# KiCad board pcb.kicad_pcb (continued)
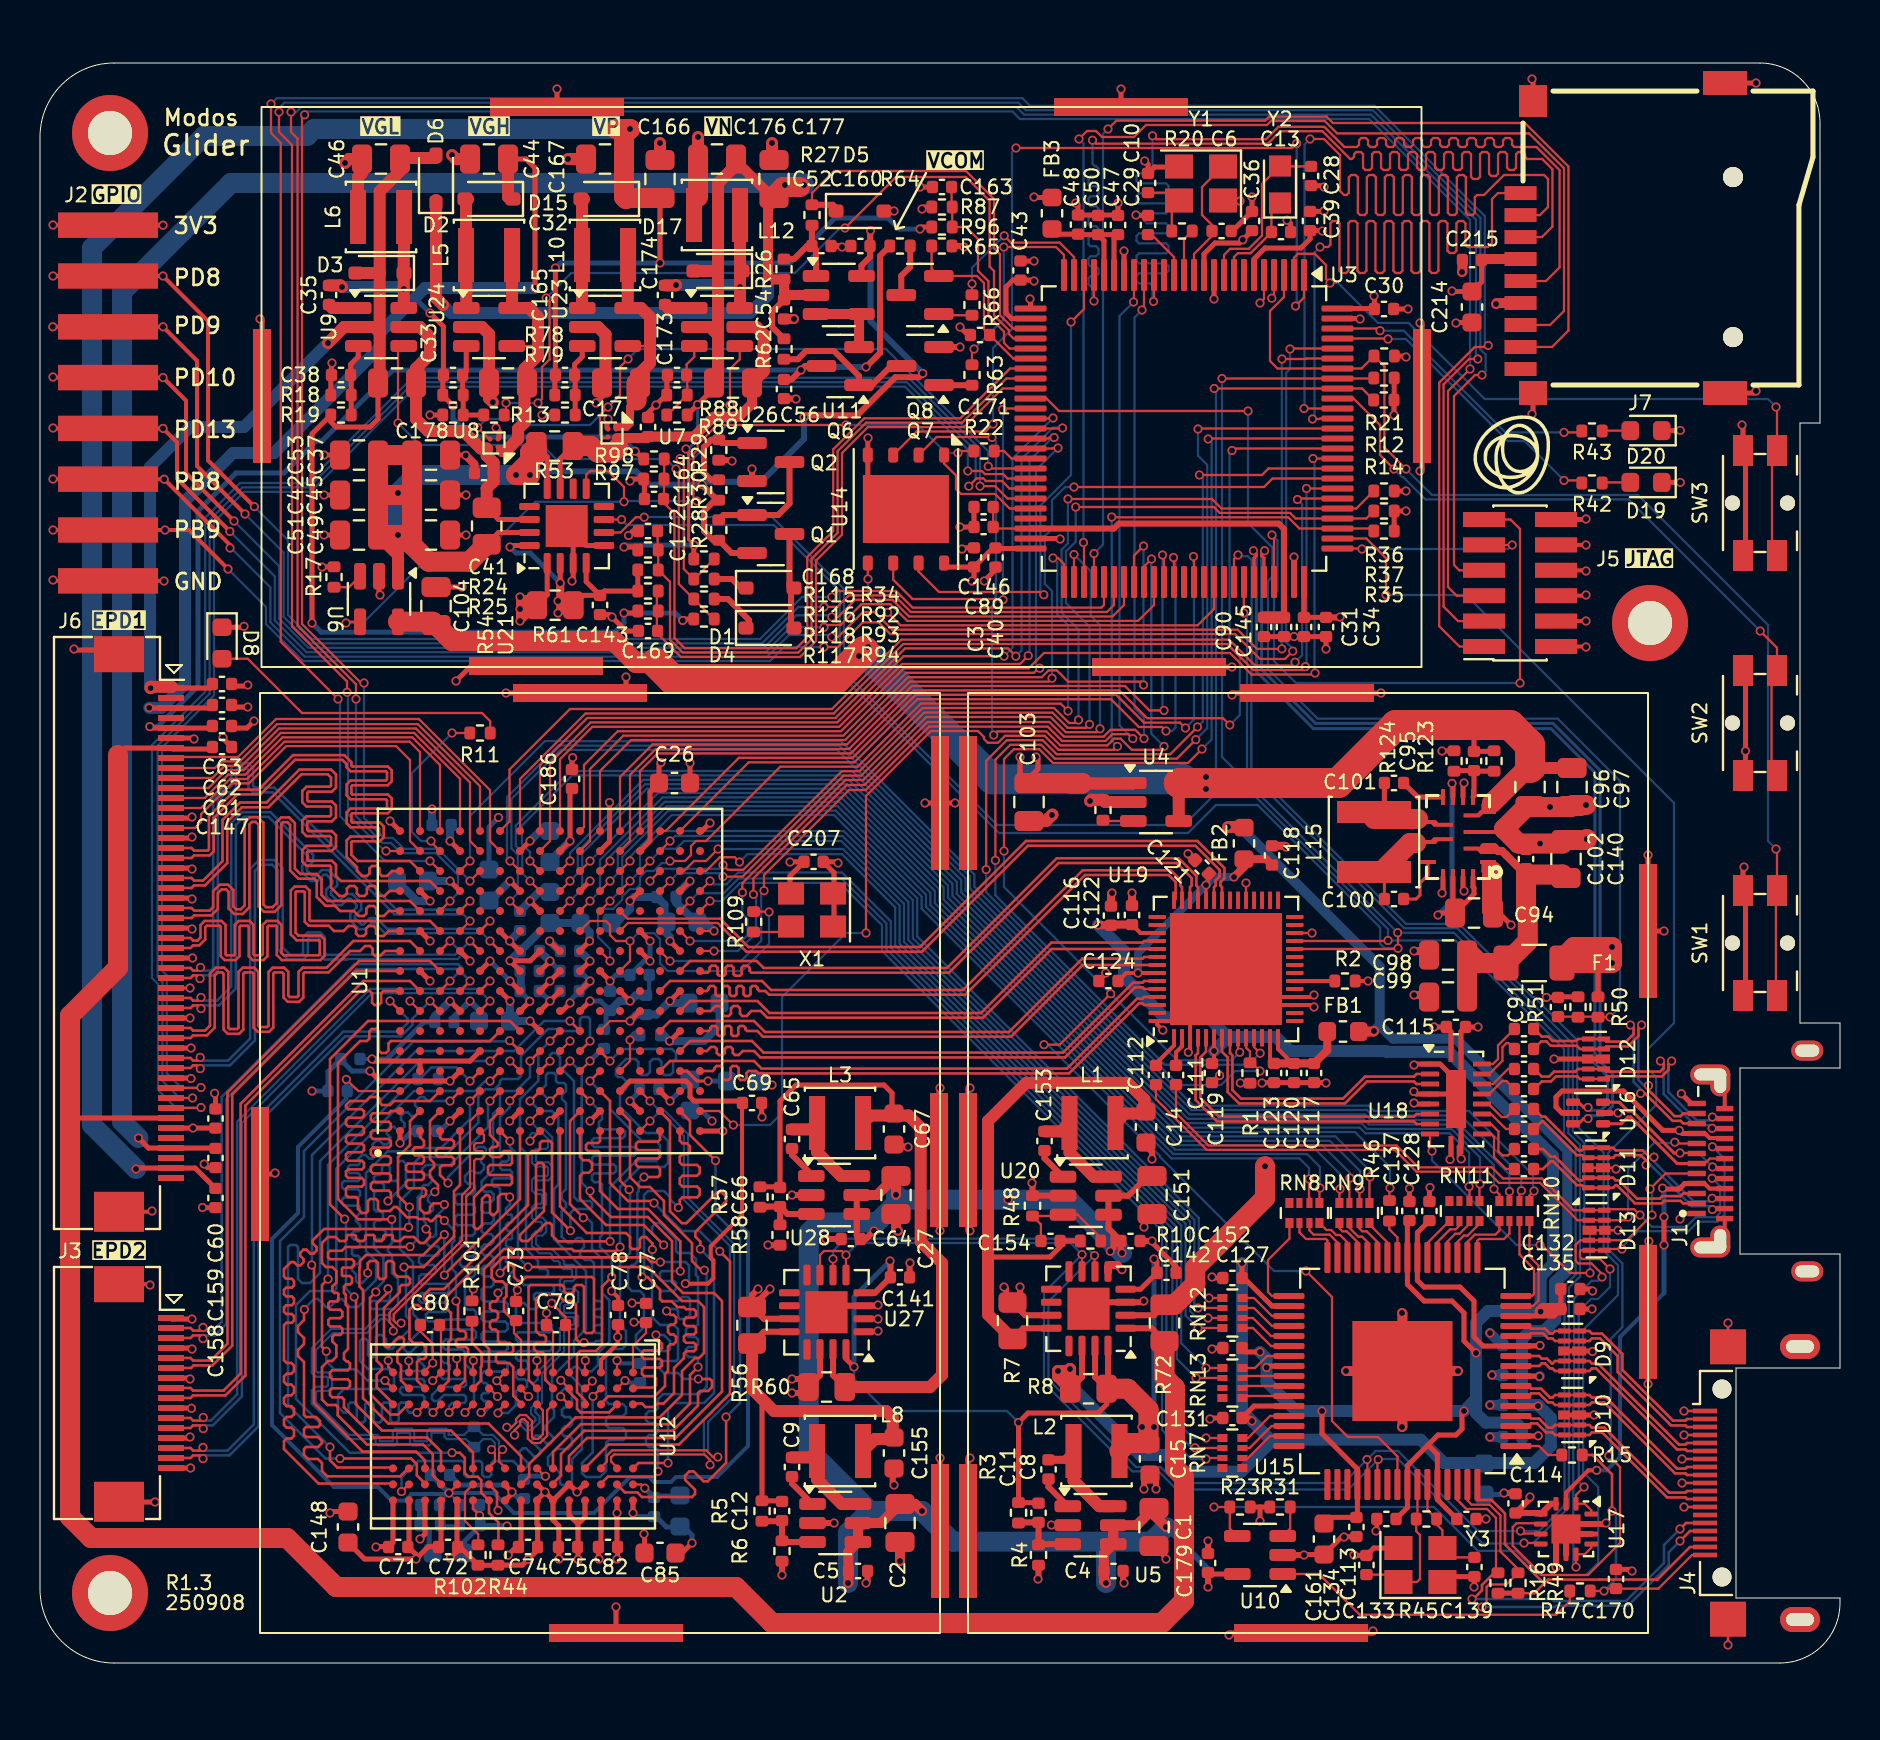
[diagram p0: board, top side]
## Routing (per net, layer and track width the routed paths; a pad name or vN(x,y) marks a point on that pad's centre or on a via; arc(x,y) is an arc through that point) (continued)
EPDC_D5N: length 31
  Top w0.127: 6.6,37.75 7.58,37.75 7.71,37.62 8.48,37.62 8.66,37.8 8.66,38.59 8.98,38.92 9.4,38.92 9.67,38.65 9.67,37.82 9.81,37.69 10.04,37.69 10.23,37.88 10.23,42.02 10.5,42.29 10.89,42.29 11.17,42.01 11.17,37.92 11.3,37.79 11.64,37.79 11.83,37.99 11.83,42.05 12.06,42.28 12.46,42.28 12.74,42 12.74,39.72 13.02,39.45 13.83,39.45 14.08,39.2 14.08,38.4 14.38,38.1 18.5,38.1 U1.B12
EPDC_D5P: length 30.8
  Top w0.127: 6.6,37.25 7.58,37.25 7.71,37.38 8.57,37.38 8.89,37.7 8.89,38.49 9.08,38.68 9.3,38.68 9.43,38.55 9.43,37.73 9.71,37.45 10.14,37.45 10.47,37.78 10.47,41.93 10.6,42.05 10.79,42.05 10.93,41.92 10.93,37.83 11.2,37.56 11.73,37.56 12.07,37.89 12.07,41.95 12.16,42.04 12.36,42.04 12.51,41.9 12.51,39.63 12.92,39.21 13.73,39.21 13.84,39.1 13.84,38.3 14.28,37.86 14.74,37.86 15,37.6 15.69,37.6 15.94,37.35 16.19,37.35 16.32,37.47 16.32,37.72 16.44,37.85 16.69,37.85 16.82,37.72 16.82,37.47 16.94,37.35 17.19,37.35 17.44,37.6 U1.A12
EPDC_D6N: length 30.1
  Top w0.127: 6.6,39.25 7.58,39.25 7.71,39.12 8.15,39.12 9.12,40.09 9.12,42.15 10,43.03 11.33,43.03 12.97,44.67 14.55,44.67 14.8,44.42 14.8,43.77 14.59,43.56 13.42,43.56 13.36,43.5 13.36,43.14 13.42,43.08 14.59,43.08 14.8,42.87 14.8,42.29 14.59,42.08 13.42,42.08 13.36,42.03 13.36,41.66 13.42,41.59 14.59,41.59 14.8,41.39 14.8,40.81 14.59,40.61 13.42,40.61 13.36,40.55 13.36,40.17 13.42,40.11 14.59,40.11 14.8,39.91 14.8,39.35 15.05,39.1 19.5,39.1 U1.C13
EPDC_D6P: length 29.9
  Top w0.127: 6.6,38.75 7.58,38.75 7.71,38.88 8.25,38.88 9.36,39.99 9.36,42.05 10.1,42.79 11.42,42.79 13.07,44.44 14.39,44.44 14.55,44.28 14.55,43.88 14.49,43.81 13.32,43.81 13.11,43.61 13.11,43.03 13.32,42.83 14.49,42.83 14.55,42.77 14.55,42.39 14.49,42.33 13.32,42.33 13.11,42.13 13.11,41.55 13.32,41.34 14.49,41.34 14.55,41.28 14.55,40.92 14.49,40.86 13.32,40.86 13.11,40.65 13.11,40.07 13.32,39.86 14.49,39.86 14.55,39.81 14.55,38.77 14.97,38.35 15.22,38.35 15.34,38.47 15.34,38.72 15.47,38.85 15.72,38.85 15.84,38.72 15.84,38.47 15.97,38.35 16.22,38.35 16.34,38.47 16.34,38.72 16.47,38.85 16.72,38.85 16.84,38.72 16.84,38.47 16.97,38.35 17.22,38.35 17.47,38.6 U1.A13
EPDC_D7N: length 30.9
  Top w0.127: 6.6,40.75 7.58,40.75 7.71,40.62 8.38,40.62 8.45,40.68 8.45,42.34 9.78,43.67 10.93,43.67 12.65,45.39 15.21,45.39 15.57,45.04 15.57,44.88 15.62,44.82 17.39,44.82 17.59,44.63 17.59,44.08 17.39,43.89 15.62,43.89 15.57,43.83 15.57,43.48 15.62,43.42 17.39,43.42 17.59,43.23 17.59,42.68 17.39,42.49 15.62,42.49 15.57,42.43 15.57,42.08 15.62,42.02 16.99,42.02 17.19,41.83 17.19,41.28 16.99,41.09 15.62,41.09 15.57,41.03 15.57,40.41 15.88,40.1 18.5,40.1 U1.B14
EPDC_D7P: length 30.9
  Top w0.127: 6.6,40.25 7.58,40.25 7.71,40.38 8.48,40.38 8.68,40.58 8.68,42.24 9.87,43.43 11.02,43.43 12.75,45.16 15.12,45.16 15.33,44.94 15.33,44.78 15.53,44.59 17.29,44.59 17.35,44.53 17.35,44.18 17.29,44.12 15.53,44.12 15.33,43.93 15.33,43.38 15.53,43.19 17.29,43.19 17.35,43.13 17.35,42.78 17.29,42.72 15.53,42.72 15.33,42.53 15.33,41.98 15.53,41.79 16.89,41.79 16.95,41.73 16.95,41.38 16.89,41.32 15.53,41.32 15.33,41.13 15.33,40.31 15.85,39.79 15.85,39.6 16.1,39.35 16.35,39.35 16.47,39.47 16.47,39.72 16.6,39.85 16.85,39.85 16.97,39.72 16.97,39.47 17.1,39.35 17.35,39.35 17.6,39.6 U1.A14
EPDC_D8N: length 31.9
  Top w0.127: U1.A7 v1(17.5,33.1) ; J3.14 7.53,10.75 7.66,10.62 7.99,10.62 v1(8.15,10.78)
  Bottom w0.127: v1(8.15,10.78) 8.31,10.62 9.38,10.62 10.69,11.93 10.69,27.1 15.16,31.57 17.95,31.57 18.38,32 18.38,32.22 v1(17.5,33.1)
EPDC_D8P: length 32.3
  Top w0.127: v1(8.15,10.22) 7.99,10.38 7.66,10.38 7.53,10.25 J3.15 ; U1.C7 v1(19.5,33.1)
  Bottom w0.127: v1(8.15,10.22) 8.31,10.38 9.47,10.38 10.93,11.83 10.93,27 15.26,31.33 18.05,31.33 18.62,31.9 18.62,32.22 v1(19.5,33.1)
EPDC_D9N: length 33.9
  Top w0.127: v1(8.16,12.28) 8,12.12 7.66,12.12 7.53,12.25 J3.11 ; v1(22.5,34.1) U1.E8
  Bottom w0.11: 9.86,26.94 9.86,27.07 16.5,33.71 22.11,33.71 v1(22.5,34.1)
  Bottom w0.127: v1(8.16,12.28) 8.32,12.12 8.54,12.12 9.86,13.43 9.86,26.94
EPDC_D9P: length 34
  Top w0.127: v1(22.5,33.1) U1.E7 ; J3.12 7.53,11.75 7.66,11.88 8,11.88 v1(8.16,11.72)
  Bottom w0.11: v1(22.5,33.1) 22.11,33.49 16.59,33.49 10.1,27 10.1,26.92
  Bottom w0.127: 10.1,26.92 10.1,13.34 8.64,11.88 8.32,11.88 v1(8.16,11.72)
EPDC_D10N: length 29.1
  Top w0.127: J3.8 7.53,13.75 7.66,13.62 9.18,13.62 10.03,14.47 10.03,27.97 16.16,34.1 18.5,34.1 U1.B8
EPDC_D10P: length 28.9
  Top w0.127: U1.A8 17.17,33.6 17.05,33.49 17.05,33.01 16.94,32.9 16.72,32.9 16.6,33.01 16.6,33.49 16.49,33.6 16,33.6 10.27,27.87 10.27,14.38 9.27,13.38 7.66,13.38 7.53,13.25 J3.9
EPDC_D11N: length 29.3
  Top w0.127: J3.5 7.53,15.25 7.66,15.12 8.53,15.12 9.38,15.97 9.38,28.53 15.95,35.1 19.5,35.1 U1.C9
EPDC_D11P: length 27
  Top w0.127: J3.6 7.55,14.75 7.68,14.88 8.62,14.88 9.61,15.87 9.61,28.43 15.79,34.6 U1.A9
EPDC_GDCLK: length 17.9
  Top w0.11: U1.B16 19,45.55 18.48,46.06 12.22,46.06 10.36,44.2 9.5,44.2 8.05,42.75 6.6,42.75
EPDC_GDOE: length 19.1
  Top w0.11: 6.6,43.75 8.43,43.75 9.32,44.64 10.17,44.64 12.04,46.51 18.71,46.51 21,44.21 U1.D16
EPDC_GDSP: length 18.5
  Top w0.11: U1.C16 20,44.9 18.61,46.28 12.13,46.28 10.26,44.42 9.41,44.42 8.24,43.25 6.6,43.25
EPDC_SDCE0: length 20.7
  Top w0.11: U1.E15 21.5,41.1 21.5,44.02 18.8,46.73 11.95,46.73 10.08,44.86 9.23,44.86 8.62,44.25 6.6,44.25
EPDC_SDLE: length 19.8
  Top w0.11: U1.E16 22,43.83 18.89,46.95 11.86,46.95 9.99,45.08 9.08,45.08 8.75,44.75 6.6,44.75
EPDC_SDOE: length 21.4
  Top w0.11: U1.F15 22.5,41.1 22.5,43.64 18.94,47.2 11.8,47.2 9.9,45.3 6.65,45.3 6.6,45.25
EPDC_SE_CLK: length 18.9
  Top w0.11: U1.B15 18.5,41.1 18.5,45.15 17.81,45.84 12.31,45.84 10.45,43.98 9.59,43.98 8.05,42.44 8.05,42.05 7.75,41.75 6.6,41.75
FL_EN: length 81.6
  Top w0.11: v1(47,58.84) 47.76,58.84 48.38,58.23 U3.45 ; v1(8.05,27.78) 8.03,27.75 J6.43
  Bottom w0.11: v1(47,58.84) 47,60.69 43.43,64.26 18.61,64.26 13.35,59 10,59 8.26,57.26 8.26,48.56 5.6,45.9 5.6,34.25 5.9,33.95 5.9,28.65 6.78,27.78 v1(8.05,27.78)
FL_PWM1: length 78.4
  Top w0.11: v1(46.39,59.6) 47.09,59.6 47.25,59.45 48.16,59.45 48.38,59.23 U3.43 ; J6.41 8.03,28.75 v1(8.05,28.78)
  Bottom w0.11: v1(8.05,28.78) 7.05,28.78 6.34,29.48 6.34,34.39 6.1,34.62 6.1,45.78 8.7,48.38 8.7,57.05 10.21,58.56 13.53,58.56 18.79,63.82 43.25,63.82 46.39,60.68 v1(46.39,59.6)
FL_PWM2: length 80.1
  Top w0.11: v1(46.44,58.84) 46.83,59.23 47.16,59.23 47.29,59.1 48.1,59.1 48.47,58.73 U3.44 ; v1(7.62,28.25) J6.42
  Bottom w0.11: v1(7.62,28.25) 6.97,28.25 6.12,29.11 6.12,34.04 6,34.16 6,34.2 5.88,34.32 5.88,45.87 8.48,48.47 8.48,57.14 10.12,58.78 13.44,58.78 18.7,64.04 43.34,64.04 46.78,60.6 46.78,59.18 v1(46.44,58.84)
FMC_A16: length 41.5
  Top w0.11: v1(55.17,55.85) 54.7,55.38 U3.58 ; U1.L16 28,44.6 29.55,46.15 40.26,46.15 43.4,49.29 50.09,49.29 50.43,49.63 50.84,49.63 51.4,49.07 55.07,49.07 55.07,49 v1(55.17,48.9)
  Bottom w0.11: v1(55.17,48.9) v1(55.17,55.85)
FMC_D0: length 42.2
  Top w0.11: v1(56.12,55.4) 56.2,55.33 U3.61 ; U1.M15 29.5,41.1 29.5,44.41 30.79,45.7 40.45,45.7 43.6,48.85 54.25,48.85 55.47,47.63 v1(56.2,47.63)
  Bottom w0.11: v1(56.2,47.63) 56.12,47.7 v1(56.12,55.4)
FMC_D1: length 38
  Top w0.11: U3.62 56.7,55.02 56.67,55.05 v1(56.67,55.27) ; v1(56.3,46.6) 56.1,46.8 54.94,46.8 53.55,48.19 43.87,48.19 40.72,45.03 35.44,45.03 U1.R16
  Bottom w0.11: v1(56.67,55.27) 56.78,55.17 56.78,46.77 56.6,46.6 v1(56.3,46.6)
FMC_D2: length 56.2
  Top w0.11: v1(62.75,50.04) 62.59,49.88 60.75,49.88 59.45,51.17 43.07,51.17 39.6,47.7 26.5,47.7 23.47,44.67 23.47,42.08 U1.F16 ; v1(62.88,58.17) 62.92,58.23 U3.81
  Bottom w0.11: v1(62.88,58.17) 63.11,57.94 63.11,50.39 v1(62.75,50.04)
FMC_D3: length 55.8
  Top w0.11: U1.G16 24,44.2 27.28,47.48 39.69,47.48 43.16,50.95 59.36,50.95 60.66,49.65 63.1,49.65 v1(63.27,49.81) ; v1(63.32,58.73) U3.82
  Bottom w0.11: v1(63.27,49.81) 63.33,49.87 63.33,58.72 v1(63.32,58.73)
FMC_D4: length 43.6
  Top w0.11: U3.37 50.62,62.23 v1(50.65,62.25) ; U1.H15 25.5,41.1 25.5,45 27.53,47.03 39.86,47.03 43.17,50.34 v1(48.2,50.34)
  Bottom w0.11: v1(48.2,50.34) 48.62,50.77 48.62,60.23 v1(50.65,62.25)
FMC_D5: length 44
  Top w0.11: U1.H16 25,44.89 27.36,47.25 39.77,47.25 43.25,50.73 48.4,50.73 v1(48.79,50.34) ; v1(51.12,61.75) 51.1,61.73 U3.38
  Bottom w0.11: v1(48.79,50.34) 49.08,50.62 49.08,60.2 50.65,61.77 51.1,61.77 v1(51.12,61.75)
FMC_D6: length 41.8
  Top w0.11: v1(50.71,61.28) 50.48,61.28 50.42,61.23 U3.39 ; U1.J16 26,45.19 27.62,46.81 39.96,46.81 43.1,49.95 48.99,49.95 v1(49.41,50.37)
  Bottom w0.11: v1(49.41,50.37) 49.47,50.43 49.47,60.12 50.63,61.28 v1(50.71,61.28)
FMC_D7: length 41.8
  Top w0.11: v1(50.9,60.75) 50.65,60.75 50.62,60.73 U3.40 ; U1.K15 27.5,41.1 27.5,44.7 29.17,46.37 40.17,46.37 43.31,49.51 49.7,49.51 49.93,49.74 v1(49.99,49.74)
  Bottom w0.11: v1(49.99,49.74) 49.8,49.93 49.8,59.65 v1(50.9,60.75)
FMC_NE1: length 39.8
  Top w0.11: U1.P16 31.28,41.6 34.94,45.26 40.63,45.26 43.78,48.41 53.81,48.41 55.2,47.02 57,47.02 v1(57.27,46.75) ; U3.64 57.7,55.08 57.67,55.1 v1(57.67,55.33)
  Bottom w0.11: v1(57.27,46.75) 57.7,47.18 57.7,55.3 v1(57.67,55.33)
FMC_NOE: length 54.7
  Top w0.11: v1(63.65,60.23) U3.85 ; v1(63.75,49.5) 63.68,49.42 60.58,49.42 59.5,50.5 50.2,50.5 49.83,50.13 49.83,50.13 49.6,49.9 49.6,49.9 49.43,49.73 43.19,49.73 40.05,46.59 28.89,46.59 27.2,44.9 27.2,41.8 U1.K16
  Bottom w0.11: v1(63.75,49.5) 63.72,49.52 63.72,60.15 v1(63.65,60.23)
FMC_NWE: length 54.4
  Top w0.11: v1(59.49,46.9) 59.15,47.24 55.36,47.24 53.97,48.63 43.69,48.63 40.54,45.48 30.88,45.48 30,44.6 U1.N16 ; U3.86 59.7,60.73 v1(59.6,60.62)
  Bottom w0.11: v1(59.49,46.9) 59.99,47.4 59.99,50.31 59.47,50.83 59.47,60.5 v1(59.6,60.62)
FPGA_CS: length 41.4
  Top w0.11: U3.51 51.2,54.95 50.9,55.25 v1(50.65,55.25) ; v1(31.5,40.1) 32.24,40.1 32.55,40.41 32.55,40.85 32.8,41.1 33.3,41.1 37.02,44.81 40.88,44.81 44.04,47.97 51.03,47.97 v1(51.4,47.6) ; v1(28.5,35.1) U1.L10
  Bottom w0.11: v1(31.5,40.1) 31.4,40 31.09,40 30.69,39.61 30.32,39.61 30,39.29 30,38.9 29.8,38.7 29.49,38.7 29.11,38.32 29.11,38.15 28.66,37.71 28.21,37.71 27.9,37.4 27.9,36.3 28.5,35.7 v1(28.5,35.1) ; v1(50.65,55.25) 50.86,55.04 50.86,52.43 51.4,51.89 51.4,47.6 v1(51.4,47.6)
FPGA_DONE: length 52.6
  Top w0.11: R37.2 66.31,57.23 U3.79 62.78,57.23 62.5,57.51 58.98,57.51 58.69,57.8 v1(51.78,57.8) ; v1(34.15,39.32) 35.13,39.32 40.18,44.37 41.06,44.37 44.21,47.52 50.62,47.52 51.38,46.76 52.3,46.76 v1(52.47,46.93) ; U1.P13 v1(31.5,39.1)
  Bottom w0.11: v1(52.47,46.93) 52.47,51.83 51.3,53 51.3,55.58 51.78,56.06 v1(51.78,57.8) ; v1(31.5,39.1) 31.89,39.49 33.98,39.49 v1(34.15,39.32)
FPGA_MISO: length 52.9
  Top w0.11: v1(55.1,67.65) 55.2,67.75 U3.17 ; v1(35.67,38.43) 35.67,39.24 40.33,43.9 41.22,43.9 44.38,47.05 50.47,47.05 51.2,46.32 53.18,46.32 53.52,46.66 54.76,46.66 v1(55.2,46.22) ; U1.T10 v1(33.7,35.6)
  Bottom w0.11: v1(55.1,67.65) 54.72,67.28 54.72,47.75 55.2,47.27 v1(55.2,46.22) ; v1(35.67,38.43) 35.8,38.3 35.8,36.5 34.9,35.6 v1(33.7,35.6)
FPGA_MOSI: length 54.8
  Top w0.11: v1(54.64,46.22) 54.42,46.44 53.62,46.44 53.28,46.1 51.11,46.1 50.39,46.82 44.46,46.82 41.29,43.65 40.45,43.65 36.2,39.4 v1(36.2,38.61) ; U3.18 54.7,68.08 v1(54.67,68.05) ; U1.P10 v1(31.5,35.1)
  Bottom w0.11: v1(54.67,68.05) 53.97,67.35 53.97,46.88 v1(54.64,46.22) ; v1(31.5,35.1) 35.05,35.1 36.06,36.11 36.06,38.47 v1(36.2,38.61)
FPGA_PROG: length 62.5
  Top w0.11: v1(34.67,26.9) 33.97,27.6 U1.T2 ; v1(41.3,36.5) 41.3,43.35 44.55,46.6 46.9,46.6 47.2,46.3 47.2,46.2 47.39,46.01 47.9,46.01 48.25,46.36 50.22,46.36 50.92,45.66 53.7,45.66 v1(53.87,45.83) ; R35.2 66.56,56.73 U3.78 62.97,56.73 62.41,57.28 53.6,57.28 v1(53.58,57.3)
  Bottom w0.11: v1(53.58,57.3) 53.58,46.11 v1(53.87,45.83) ; v1(41.3,36.5) 40.3,36.5 37.1,33.3 37.1,27.5 36.5,26.9 v1(34.67,26.9)
FPGA_SCLK: length 38.8
  Top w0.11: v1(51.7,55.42) U3.52 ; U1.R11 v1(32.5,36.1) ; v1(53,46.71) 52.83,46.54 51.29,46.54 50.53,47.3 44.31,47.3 41.16,44.15 40.27,44.15 35.12,38.99 v1(35.12,38.53)
  Bottom w0.11: v1(32.5,36.1) 35.09,36.1 35.38,36.39 35.38,37.2 35.12,37.46 v1(35.12,38.53) ; v1(53,46.71) 53,51.9 52.54,52.36 52.54,54.59 v1(51.7,55.42)
FPGA_SUSP: length 53.7
  Top w0.11: v1(51.4,58.2) 51.4,58.2 58.6,58.2 59.08,57.73 U3.80 65.81,57.73 R36.1 ; v1(34.15,39.9) 34.39,39.66 35.16,39.66 40.09,44.59 40.97,44.59 44.13,47.75 50.7,47.75 51.45,47 51.77,47 v1(51.92,47.15) ; U1.P14 v1(30.5,39.1)
  Bottom w0.11: v1(51.92,47.15) 51.92,51.68 51.08,52.52 51.08,55.67 51.39,55.98 51.39,58.2 v1(51.4,58.2) ; v1(30.5,39.1) 31.11,39.71 33.96,39.71 v1(34.15,39.9)
FPGA_TCK: length 131
  Top w0.11: U1.C14 v1(19.5,40.1) ; v1(14.9,48.2) 12.04,51.06 12.04,76.01 11.55,76.5 v1(11.55,77.95) ; J5.1 70.97,50.83 69.96,51.84 69.96,64.02 71.74,65.8 72.33,65.8 v1(72.41,65.88)
  Bottom w0.11: v1(11.55,77.95) 11.84,78.24 49.12,78.24 49.5,77.86 66.73,77.86 72.24,72.35 72.24,66.05 v1(72.41,65.88) ; v1(14.9,48.2) 15,48.1 15,42.35 17.25,40.1 v1(19.5,40.1)
FPGA_TDI: length 129.4
  Top w0.11: J5.3 70.91,52.09 70.18,52.82 70.18,63.93 71.45,65.2 v1(71.89,65.2) ; U1.C12 v1(20.5,38.1) ; v1(12.55,77.55) 12.55,76.55 12.88,76.22 12.88,51.86 15.8,48.94 v1(15.8,48.2)
  Bottom w0.11: v1(20.5,38.1) 20.9,38.5 20.9,39.39 19.8,40.49 18.06,40.49 17.55,41 17.14,41 15.8,42.34 v1(15.8,48.2) ; v1(71.89,65.2) 71.8,65.29 71.8,72.17 66.55,77.42 49.2,77.42 48.82,77.8 13.07,77.8 12.82,77.55 v1(12.55,77.55)
FPGA_TDO: length 125.3
  Top w0.11: J5.5 70.84,53.37 70.4,53.8 70.4,63.6 v1(71.5,64.7) ; v1(13.23,77.41) 13.1,77.28 13.1,51.95 16.05,49 v1(16.2,49) ; U1.E14 v1(21.5,39.1)
  Bottom w0.11: v1(21.5,39.1) 19.89,40.71 18.19,40.71 17.65,41.25 17.2,41.25 16.2,42.25 v1(16.2,49) ; v1(13.23,77.41) 13.23,77.43 13.38,77.58 48.62,77.58 49,77.2 66.45,77.2 71.5,72.15 v1(71.5,64.7)
FPGA_TMS: length 122.6
  Top w0.11: J5.7 70.97,54.63 70.7,54.9 70.7,63.35 71.75,64.4 v1(72.1,64.4) ; U1.A15 v1(17.3,40.6) ; v1(15.35,48.54) 15.35,49.07 12.6,51.83 12.6,75.9 11.95,76.55 v1(11.95,77.55)
  Bottom w0.11: v1(17.3,40.6) 17.23,40.6 15.4,42.43 15.4,48.49 v1(15.35,48.54) ; v1(72.1,64.4) 72.28,64.58 72.28,65.42 72.02,65.68 72.02,72.26 66.64,77.64 49.29,77.64 48.91,78.02 12.22,78.02 11.95,77.75 v1(11.95,77.55)
GCLK: length 16.7
  Top w0.11: R109.2 36.43,37.57 v1(36.45,37.55) ; U1.M9 29.5,35.1 v1(29.5,36.1) 28.8,36.1 28.5,36.4 28.5,36.9 28.3,37.1 27.5,37.1 U1.K11
  Bottom w0.11: v1(29.5,36.1) 29.89,36.49 30.71,36.49 31,36.2 31,34.97 31.38,34.6 35.1,34.6 36.45,35.95 v1(36.45,37.55)
HPD_EN: length 85.9
  Top w0.11: U3.68 59.7,55.2 v1(59.9,55.4) ; v1(58.7,7.8) R23.2 59.49,6.72 U10.4
  Bottom w0.11: v1(59.9,55.4) 59.96,55.34 60.39,55.34 60.58,55.15 60.58,49.64 60.57,49.63 60.57,44.69 68.31,36.95 70.96,36.95 74.61,33.3 74.7,33.3 76.86,31.14 76.86,26.84 78.18,25.52 78.18,20.61 78.9,19.89 78.9,18.4 77.16,16.66 77.16,9.55 77.91,8.79 77.91,5.01 77.3,4.4 75,4.4 73.79,5.61 71.89,5.61 69.7,7.8 v1(58.7,7.8)
I2C1_SCL: length 176
  Top w0.11: v1(58.71,63.73) U3.92 66.1,63.73 R14.2 ; v1(74.03,6.6) 74.15,6.47 75.01,6.47 U17.6 ; v1(66.35,10.17) 66.37,10.16 U15.53 ; U22.6 52.72,19.6 v1(52.72,20.38) ; v1(30.21,57.29) 29.79,57.29 29.03,56.52 U21.6 ; U19.25 67.38,36.1 v1(67.4,36.12) ; v1(39.65,20.2) U27.6
  Bottom w0.11: v1(39.65,20.2) 39.65,20.6 40.27,21.22 51.88,21.22 v1(52.72,20.38) 50.42,18.07 50.42,14.18 54.8,9.8 56.03,9.8 56.83,9 65.18,9 v1(66.35,10.17) 66.78,10.6 67.9,10.6 71.9,6.6 v1(74.03,6.6) 74.95,6.6 76.22,7.88 76.22,18.86 76.78,19.41 76.78,25.82 76.2,26.4 76.2,30.7 70.78,36.12 v1(67.4,36.12) 67.4,36.69 60.79,43.3 58.6,43.3 ; 58.6,43.3 58.8,43.5 58.8,63.63 v1(58.71,63.73) ; 58.6,43.3 57.2,41.9 47.86,41.9 40.2,49.56 40.2,53.7 36.6,57.3 30.22,57.3 v1(30.21,57.29)
I2C1_SDA: length 189.5
  Top w0.11: v1(52.1,20.42) U22.7 ; U27.7 39,20.4 39.2,20.6 40.1,20.6 v1(40.3,20.4) U27.5 ; v1(59.1,64.22) U3.93 66.66,64.22 R12.2 ; v1(67.88,36.52) 67.9,36.5 v1(67.9,35.73) 67.87,35.7 U19.24 ; v1(66.91,10.17) 66.87,10.13 U15.54 ; v1(29.08,57.17) U21.7 ; U17.7 74.99,6 v1(74.2,6)
  Bottom w0.11: v1(67.9,35.73) 67.24,35.73 67.01,35.96 67.01,36.77 60.88,42.9 58.8,42.9 57.4,41.5 47.95,41.5 39.98,49.47 39.98,53.61 36.69,56.9 29.35,56.9 v1(29.08,57.17) ; v1(40.3,20.4) 40.9,21 51.53,21 v1(52.1,20.42) 50.2,18.53 50.2,14 54.62,9.58 55.93,9.58 56.84,8.67 65.41,8.67 v1(66.91,10.17) 66.94,10.2 67.9,10.2 72.12,5.97 74.18,5.97 v1(74.2,6) 74.66,6 76.44,7.78 76.44,18.77 77,19.32 77,25.91 76.42,26.49 76.42,30.79 70.7,36.52 v1(67.88,36.52) 59.1,45.3 v1(59.1,64.22)
KEY1: length 56.8
  Top w0.11: R21.2 66.07,64.72 U3.94 61.88,64.72 61.5,65.1 61.5,67.6 62.2,68.3 U3.3 ; R21.2 67.22,64.83 67.22,60.78 v1(68.3,59.7) ; R21.2 66.57,65.22 ; v1(86.8,40.7) 86.85,40.65 SW1.1 86.79,38.57 86.79,33.43 SW1.1
  Bottom w0.11: v1(68.3,59.7) 69.6,58.4 79.9,58.4 86.4,51.9 86.4,41.1 v1(86.8,40.7)
KEY2: length 34.6
  Top w0.11: v1(86.01,51.6) 86.85,50.76 SW2.1 86.57,49.35 86.57,44.65 SW2.1 ; U3.91 65.68,63.23 67,61.9 67,60.4 v1(67.7,59.7)
  Bottom w0.11: v1(67.7,59.7) 68.1,59.3 68.15,59.3 69.27,58.18 79.43,58.18 v1(86.01,51.6)
KEY3: length 36.3
  Top w0.11: v1(64.5,69) 64.3,69.2 64.3,69.9 63.74,70.46 62.9,70.46 62.7,70.26 U3.2 ; v1(86.8,62.8) 86.85,62.75 SW3.1 86.6,60.38 86.6,55.62 SW3.1
  Bottom w0.11: v1(86.8,62.8) 86.4,63.2 72.24,63.2 68.43,67 66.9,67 64.91,69 v1(64.5,69)
LVDS_BKLTEN: length 36.8
  Top w0.11: U19.26 v1(63.6,36.5) ; U3.4 61.7,68.35 v1(61.59,68.24)
  In1.Cu w0.11: v1(61.59,68.24) 61.59,67.17 61.22,66.8 61.22,60.51 59.02,58.31 59.02,51.98 60.21,50.79 60.21,46.1 63.6,42.71 v1(63.6,36.5)
LVDS_EVEN_AN: length 30.1
  Top w0.127: U1.T8 33.34,33.6 33.43,33.69 33.43,33.76 33.51,33.85 33.69,33.85 33.78,33.76 33.78,33.44 33.86,33.35 34.04,33.35 34.13,33.44 34.13,33.76 34.21,33.85 34.39,33.85 34.48,33.76 34.48,33.44 34.56,33.35 34.74,33.35 34.83,33.44 34.83,33.76 34.91,33.85 35.09,33.85 35.18,33.76 35.18,33.44 35.26,33.35 35.44,33.35 35.53,33.44 35.53,33.76 35.61,33.85 35.79,33.85 35.88,33.76 35.88,33.69 35.96,33.6 36.26,33.6 36.45,33.41 46.26,33.41 52.25,39.4 56.43,39.4 56.78,39.05 56.78,38.22 U19.42
LVDS_EVEN_AP: length 30.1
  Top w0.127: U19.41 57.1,38.79 57.02,38.88 57.02,39.15 56.53,39.64 52.14,39.64 46.15,33.65 36.55,33.65 36.1,34.1 31.5,34.1 U1.P8
LVDS_EVEN_BN: length 30.4
  Top w0.127: U19.40 57.5,38.79 57.58,38.88 57.58,39.25 56.83,40 50.94,40 45.45,34.51 35.58,34.51 35.48,34.61 35.48,34.76 35.38,34.86 35.18,34.86 35.08,34.76 35.08,34.44 35,34.36 34.75,34.36 34.68,34.44 34.68,34.76 34.58,34.86 34.38,34.86 34.28,34.76 34.28,34.44 34.2,34.36 33.95,34.36 33.88,34.44 33.88,34.76 33.78,34.86 33.58,34.86 33.48,34.76 33.48,34.61 33.38,34.51 33.09,34.51 U1.T9
LVDS_EVEN_BP: length 30.1
  Top w0.127: U1.R9 32.5,35.1 35.84,35.1 36.19,34.75 45.35,34.75 50.84,40.24 56.93,40.24 57.82,39.35 57.82,38.88 57.9,38.79 U19.39
LVDS_EVEN_CN: length 35.1
  Top w0.11: U1.M11 29.4,37 33.89,37 34.02,36.86
  Top w0.127: U19.37 58.7,38.79 58.78,38.88 58.78,39.14 58.98,39.34 58.98,39.65 57.77,40.86 49.4,40.86 44.1,35.56 35.32,35.56 34.02,36.86
LVDS_EVEN_CP: length 35.4
  Top w0.11: U1.M12 29.38,37.22 34,37.22 34.12,37.1
  Top w0.127: U19.36 59.1,38.79 59.02,38.88 59.02,39.04 59.22,39.24 59.22,39.75 57.87,41.1 49.3,41.1 44,35.8 35.42,35.8 34.12,37.1
LVDS_ODD_AN: length 26.6
  Top w0.127: U19.54 55.21,32.9 55.12,32.98 54.95,32.98 51.45,29.48 35.92,29.48 35.8,29.6 35.43,29.6 35.33,29.5 35.33,29.25 35.23,29.15 35.03,29.15 34.93,29.25 34.93,29.75 34.83,29.85 34.63,29.85 34.53,29.75 34.53,29.25 34.43,29.15 34.23,29.15 34.13,29.25 34.13,29.75 34.03,29.85 33.83,29.85 33.73,29.75 33.73,29.7 33.63,29.6 U1.T4
LVDS_ODD_AP: length 26.7
  Top w0.127: U19.53 55.21,33.3 55.12,33.22 54.85,33.22 51.35,29.72 36.08,29.72 35.7,30.1 31.5,30.1 U1.P4
LVDS_ODD_BN: length 25.5
  Top w0.127: U19.52 55.21,33.7 55.12,33.78 54.75,33.78 51.25,30.28 36.02,30.28 35.7,30.6 35.14,30.6 34.94,30.4 34.74,30.4 34.64,30.5 34.64,30.7 34.54,30.8 34.34,30.8 34.24,30.7 34.24,30.5 34.14,30.4 33.94,30.4 33.84,30.5 33.84,30.7 33.74,30.8 33.54,30.8 33.34,30.6 U1.T5
LVDS_ODD_BP: length 25.8
  Top w0.127: U19.51 55.21,34.1 55.12,34.02 54.65,34.02 51.15,30.52 36.18,30.52 35.6,31.1 32.5,31.1 U1.R5
LVDS_ODD_CKN: length 25.8
  Top w0.127: U19.47 50.59,35.7 47.15,32.26 36.37,32.26 36.03,32.6 35.56,32.6 35.45,32.49 35.45,32.46 35.34,32.35 35.11,32.35 35,32.46 35,32.74 34.89,32.85 34.66,32.85 34.55,32.74 34.55,32.46 34.44,32.35 34.21,32.35 34.1,32.46 34.1,32.74 33.99,32.85 33.76,32.85 33.65,32.74 33.65,32.71 33.54,32.6 U1.T7